# Altium PCB 脑电采集板V3.0.PcbDoc (part 1 of 2) (continued)
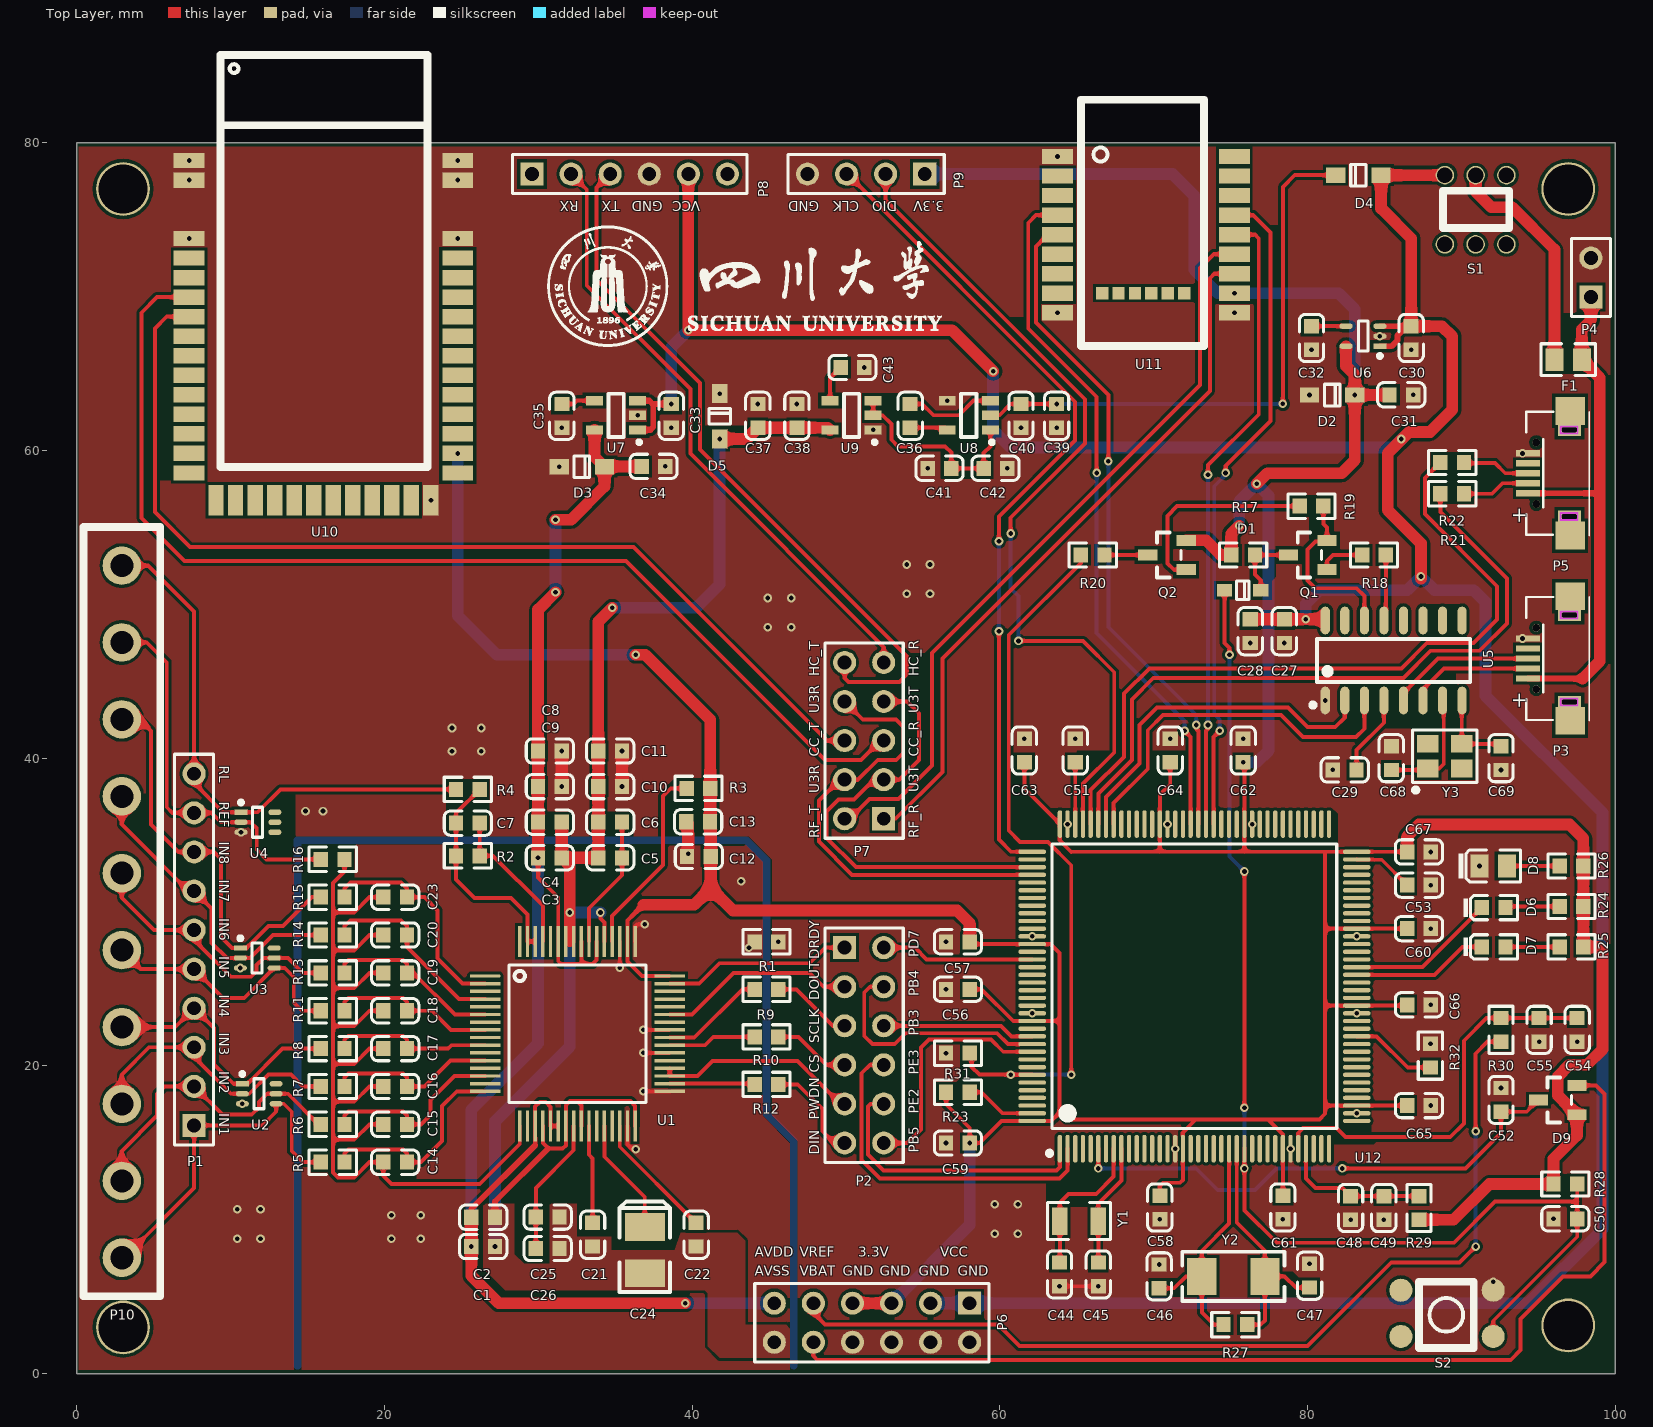
[diagram p0: Top Layer view]
## Footprints (in the part's own frame and the unit in brackets; to place one, negate y for a bottom-side part, rotate by r counter-clockwise, add the part's x,y. Pads: shape width x height; smd on the part's side, far side on the other; paste and mask are expansions set on the pad) (continued)
HDR2X6 [mm] "Connector; Header; 6x2 Position"
  rect 1.5x1.5 hole 0.9: 1(0,0)
  round 1.5 hole 0.9: 2(0,2.54) 3(2.54,0) 4(2.54,2.54) 5(5.08,0) 6(5.08,2.54) 7(7.62,0) 8(7.62,2.54) 9(10.16,0) 10(10.16,2.54) 11(12.7,0) 12(12.7,2.54)
  silkscreen extent -1.27,-1.27 13.97,3.81
key_4.5*4.5*3.8 [mm]
  round 1.5 smd: 1(0,0) 2(0,-3) ""(6,0) ""(6,-3)
  silkscreen extent 1.27,-3.56 4.83,0.76
KEY_5.8*5.8 [mm] "KEY_5.8*5.8"
  round 1.2 hole 1: 1(0,0) 2(0,2) 3(0,4) 4(4.5,4) 5(4.5,2) 6(4.5,0)
  silkscreen extent 1.02,-0.13 3.43,4.19
LQFP-144_20x20x05P [mm]
  oval 0.28x1.8 smd mask+0.051: 1(-8.75,-10.55) 2(-8.25,-10.55) 3(-7.75,-10.55) 4(-7.25,-10.55) 5(-6.75,-10.55) 6(-6.25,-10.55) 7(-5.75,-10.55) 8(-5.25,-10.55) 9(-4.75,-10.55) 10(-4.25,-10.55) 11(-3.75,-10.55) 12(-3.25,-10.55) 13(-2.75,-10.55) 14(-2.25,-10.55) 15(-1.75,-10.55) 16(-1.25,-10.55) 17(-0.75,-10.55) 18(-0.25,-10.55) 19(0.25,-10.55) 20(0.75,-10.55) 21(1.25,-10.55) 22(1.75,-10.55) 23(2.25,-10.55) 24(2.75,-10.55) 25(3.25,-10.55) 26(3.75,-10.55) 27(4.25,-10.55) 28(4.75,-10.55) 29(5.25,-10.55) 30(5.75,-10.55) 31(6.25,-10.55) 32(6.75,-10.55) 33(7.25,-10.55) 34(7.75,-10.55) 35(8.25,-10.55) 36(8.75,-10.55) 73(8.75,10.55) 74(8.25,10.55) 75(7.75,10.55) 76(7.25,10.55) 77(6.75,10.55) 78(6.25,10.55) 79(5.75,10.55) 80(5.25,10.55) 81(4.75,10.55) 82(4.25,10.55) 83(3.75,10.55) 84(3.25,10.55) 85(2.75,10.55) 86(2.25,10.55) 87(1.75,10.55) 88(1.25,10.55) 89(0.75,10.55) 90(0.25,10.55) 91(-0.25,10.55) 92(-0.75,10.55) 93(-1.25,10.55) 94(-1.75,10.55) 95(-2.25,10.55) 96(-2.75,10.55) 97(-3.25,10.55) 98(-3.75,10.55) 99(-4.25,10.55) 100(-4.75,10.55) 101(-5.25,10.55) 102(-5.75,10.55) 103(-6.25,10.55) 104(-6.75,10.55) 105(-7.25,10.55) 106(-7.75,10.55) 107(-8.25,10.55) 108(-8.75,10.55)
  oval 1.8x0.28 smd mask+0.051: 37(10.55,-8.75) 38(10.55,-8.25) 39(10.55,-7.75) 40(10.55,-7.25) 41(10.55,-6.75) 42(10.55,-6.25) 43(10.55,-5.75) 44(10.55,-5.25) 45(10.55,-4.75) 46(10.55,-4.25) 47(10.55,-3.75) 48(10.55,-3.25) 49(10.55,-2.75) 50(10.55,-2.25) 51(10.55,-1.75) 52(10.55,-1.25) 53(10.55,-0.75) 54(10.55,-0.25) 55(10.55,0.25) 56(10.55,0.75) 57(10.55,1.25) 58(10.55,1.75) 59(10.55,2.25) 60(10.55,2.75) 61(10.55,3.25) 62(10.55,3.75) 63(10.55,4.25) 64(10.55,4.75) 65(10.55,5.25) 66(10.55,5.75) 67(10.55,6.25) 68(10.55,6.75) 69(10.55,7.25) 70(10.55,7.75) 71(10.55,8.25) 72(10.55,8.75) 109(-10.55,8.75) 110(-10.55,8.25) 111(-10.55,7.75) 112(-10.55,7.25) 113(-10.55,6.75) 114(-10.55,6.25) 115(-10.55,5.75) 116(-10.55,5.25) 117(-10.55,4.75) 118(-10.55,4.25) 119(-10.55,3.75) 120(-10.55,3.25) 121(-10.55,2.75) 122(-10.55,2.25) 123(-10.55,1.75) 124(-10.55,1.25) 125(-10.55,0.75) 126(-10.55,0.25) 127(-10.55,-0.25) 128(-10.55,-0.75) 129(-10.55,-1.25) 130(-10.55,-1.75) 131(-10.55,-2.25) 132(-10.55,-2.75) 133(-10.55,-3.25) 134(-10.55,-3.75) 135(-10.55,-4.25) 136(-10.55,-4.75) 137(-10.55,-5.25) 138(-10.55,-5.75) 139(-10.55,-6.25) 140(-10.55,-6.75) 141(-10.55,-7.25) 142(-10.55,-7.75) 143(-10.55,-8.25) 144(-10.55,-8.75)
  silkscreen extent -9.57,-11 9.25,9.25
MICRO-USB [mm]
  rect 0.4x1.55 smd: 1(-1.3,2.2) 2(-0.65,2.2) 3(0,2.2) 4(0.65,2.2) 5(1.3,2.2)
  rect 1.8x1.9 smd: 6(-4.05,-0.55) 6(4.05,-0.55)
  rect 0.8x1.5 hole 0.4 slot 1 at 90 deg: 6(-2.825,-0.5) 6(2.825,-0.5)
  round 0.5 hole 0.5 unplated: ""(-2,1.65) ""(2,1.65)
  Keep-Out Layer lines w0.127: -3.054,0.075 -3.054,-1.043 -2.596,-1.043 -2.596,0.075 -3.054,0.075 ; 2.596,0.075 2.596,-1.043 3.054,-1.043 3.054,0.075 2.596,0.075
  silkscreen extent -4.05,-1.8 4,2.3, body extent -4.03,-3.3 4.03,2.28, height 3.13
nRF52832 [mm]
  rect 2x1 smd: 1(4.826,-4.699) 2(4.826,-3.429) 3(4.826,-2.159) 4(4.826,-0.889) 5(4.826,0.381) 6(4.826,1.651) 7(4.826,2.921) 8(4.826,4.191) 9(4.826,5.461) 16(-6.674,5.461) 17(-6.674,4.191) 18(-6.674,2.921) 19(-6.674,1.651) 20(-6.674,0.381) 21(-6.674,-0.889) 22(-6.674,-2.159) 23(-6.674,-3.429) 24(-6.674,-4.699)
  rect 0.8x0.8 smd: 10(1.93,4.191) 11(0.864,4.191) 12(-0.203,4.191) 13(-1.27,4.191) 14(-2.337,4.191) 15(-3.404,4.191)
  silkscreen extent -4.7,-8.38 3.3,7.62
pin1.5mm [mm]
  round 2.5 hole 1.5: 1(0,0) 2(0,5) 3(0,10) 4(0,15) 5(0,20) 6(0,25) 7(0,30) 8(0,35) 9(0,40) 10(0,45)
  silkscreen extent -2.5,-2.5 2.5,47.5
SC-70-5 [mm]
  rect 0.85x0.35 smd: 1(0,0)
  oval 0.85x0.35 smd: 2(0,-0.65) 3(0,-1.3) 4(2.2,-1.3) 5(2.2,0)
  silkscreen extent -0.13,-1.63 1.4,0.76
"SMD-3215_2P FC - 135" [mm]
  rect 1x1.8 smd: 1(-1.25,0) 2(1.25,0)
  silkscreen extent -2.05,-1.2 2.05,1.2
SMD-3225_4P [mm]
  rect 1.4x1.15 smd: 1(-1.1,-0.8) 2(1.1,-0.8) 3(1.1,0.8) 4(-1.1,0.8)
  silkscreen extent -2.1,-2.35 2.1,1.7, body extent -1.6,-1.25 1.6,1.25, height 0.61
SMD-5032_2P [mm]
  rect 1.9x2.4 smd: 1(-2.05,0) 2(2.05,0)
  silkscreen extent -3.32,-1.6 3.32,1.6
SOD-123 [mm]
  rect 1.25x1 smd: 1(1.475,0) 2(-1.475,0)
  silkscreen extent -0.5,-0.7 0.5,0.7, body extent -1.85,-0.77 1.85,0.78, height 1.35
SOD-323 [mm]
  rect 1x0.83 smd: 1(1.18,0) 2(-1.18,0)
  silkscreen extent -0.4,-0.6 0.4,0.6, body extent -1.35,-0.62 1.35,0.63, height 1.1
SOIC-16_150mil [mm]
  oval 0.6x1.8 smd: 1(-4.445,-2.6) 2(-3.175,-2.6) 3(-1.905,-2.6) 4(-0.635,-2.6) 5(0.635,-2.6) 6(1.905,-2.6) 7(3.175,-2.6) 8(4.445,-2.6) 9(4.445,2.6) 10(3.175,2.6) 11(1.905,2.6) 12(0.635,2.6) 13(-0.635,2.6) 14(-1.905,2.6) 15(-3.175,2.6) 16(-4.445,2.6)
  silkscreen extent -5.4,-3.05 4.97,1.4
SOT-23(SOT-23-3) [mm]
  rect 1.25x0.7 smd: 1(1.25,-0.95) 2(1.25,0.95) 3(-1.25,0)
  silkscreen extent -0.65,-1.46 0.9,1.46, body extent -1.5,-1.5 1.5,1.5, height 1.3
SOT-23-5 [mm]
  rect 1.1x0.6 smd: 1(1.4,-0.95) 2(1.4,0) 3(1.4,0.95) 4(-1.4,0.95) 5(-1.4,-0.95)
  silkscreen extent -0.5,-1.87 1.63,1.4
TPD4 [mm]
  rect 0.85x0.35 smd: 1(0,0)
  oval 0.85x0.35 smd: 2(0,-0.65) 3(0,-1.3) 4(2.2,-1.3) 5(2.2,-0.65) 6(2.2,0)
  silkscreen extent -0.13,-1.63 1.4,0.76

## Part data
C1 C2 C3 C4 C5 C6 C7 C8 C9 C10 C11 C12 C13 C21 C22 C26 C38 C40 C42: library part "0603 10nF (103) 10% 50V", "贴片电容", Package=0603, SuppliersPartNumber=C57112, ComponentLink1Description=供应商链接, ComponentLink1URL=http://www.szlcsc.com/product/details_58143.html, Supplier=LC
C14 C15 C16 C17 C18 C19 C20 C23: library part "0603 4.7nF (472) 10% 50V", "贴片电容", Package=0603, SuppliersPartNumber=C53987, ComponentLink1Description=供应商链接, ComponentLink1URL=http://www.szlcsc.com/product/details_55004.html, Supplier=LC
C24: library part "3528 100uF (107) 10% 6.3V", "钽电容", Package=3528, SuppliersPartNumber=C16133, ComponentLink1Description=供应商链接, ComponentLink1URL=http://www.szlcsc.com/product/details_16815.html, Supplier=LC
C25 C27 C48 C54: library part "0603 10uF (106) 10% 10V", "贴片电容", Package=0603, SuppliersPartNumber=C19702, ComponentLink1Description=供应商链接, ComponentLink1URL=http://www.szlcsc.com/product/details_20411.html, Supplier=LC
C28 C29 C49 C50 C52 C55 C56 C57 C58 C59 C60 C61 C62 C63 C64 C65 C66 C67: library part "0603 100nF (104) 10% 50V", "贴片电容", Package=0603, SuppliersPartNumber=C14663, ComponentLink1Description=供应商链接, ComponentLink1URL=http://www.szlcsc.com/product/details_15331.html, Supplier=LC
C30 C31 C33 C34 C36 C37 C39 C41: library part "0603 1uF (105) 10% 50V", "贴片电容", Package=0603, SuppliersPartNumber=C15849, ComponentLink1Description=供应商链接, ComponentLink1URL=http://www.szlcsc.com/product/details_16531.html, Supplier=LC
C32 C35 C43: library part "0603 1nF (102) 10% 50V", "贴片电容", Package=0603, SuppliersPartNumber=C1588, ComponentLink1Description=供应商链接, ComponentLink1URL=http://www.szlcsc.com/product/details_1940.html, Supplier=LC
C44 C45: library part "0603 10pF (100) 5% 50V", "贴片电容", Package=0603, SuppliersPartNumber=C1634, ComponentLink1Description=供应商链接, ComponentLink1URL=http://www.szlcsc.com/product/details_1986.html, Supplier=LC
C46 C47 C68 C69: library part "0603 22pF (220) 5% 50V", "贴片电容", Package=0603, SuppliersPartNumber=C1653, ComponentLink1Description=供应商链接, ComponentLink1URL=http://www.szlcsc.com/product/details_2005.html, Supplier=LC
C51 C53: library part "0603 2.2uF (225) 10% 16V", "贴片电容", Package=0603, SuppliersPartNumber=C23630, ComponentLink1Description=供应商链接, ComponentLink1URL=http://www.szlcsc.com/product/details_24366.html, Supplier=LC
D1: library part "SOD-323 1N4148WS T4", "二极管", Package=SOD-323, SuppliersPartNumber=C2128, ComponentLink1Description=供应商链接, ComponentLink1URL=http://www.szlcsc.com/product/details_2485.html, Supplier=LC
D2 D3 D4 D5: library part "SOD-123 B5819W  SL", "肖特基二极管", Package=SOD-123, SuppliersPartNumber=C8598, ComponentLink1Description=供应商链接, ComponentLink1URL=http://www.szlcsc.com/product/details_9093.html, Supplier=LC
D6 D7: library part "0603 绿灯", "发光二极管", Package=0603, SuppliersPartNumber=C72043, ComponentLink1Description=供应商链接, ComponentLink1URL=http://www.szlcsc.com/product/details_73152.html, Supplier=LC
D8: library part "0805 红灯", "发光二极管", Package=0805, SuppliersPartNumber=C2295, ComponentLink1Description=供应商链接, ComponentLink1URL=http://www.szlcsc.com/product/details_2668.html, Supplier=LC
D9: library part "SOT-23 BAV70 A4", "开关二极管", Package=SOT-23, SuppliersPartNumber=C68978, ComponentLink1Description=供应商链接, ComponentLink1URL=http://www.szlcsc.com/product/details_70091.html, Supplier=LC
F1: library part "Fuse 2", "Fuse", LatestRevisionDate=17-Jul-2002, LatestRevisionNote="Re-released for DXP Platform.", PackageDescription="Thru-Hole; 2 Leads", PackageReference=PIN-W2/E2.8, Published=8-Jun-2000, Publisher="Altium Limited"
P1: "Header, 10-Pin", LatestRevisionDate=17-Jul-2002, LatestRevisionNote="Re-released for DXP Platform.", Publisher="Altium Limited"
P2 P6: "Header, 6-Pin, Dual row", LatestRevisionDate=17-Jul-2002, LatestRevisionNote="Re-released for DXP Platform.", Publisher="Altium Limited"
P3 P5: library part "Header 5", "Header, 5-Pin", LatestRevisionDate=17-Jul-2002, LatestRevisionNote="Re-released for DXP Platform.", Publisher="Altium Limited"
P4: "Header, 2-Pin", LatestRevisionDate=17-Jul-2002, LatestRevisionNote="Re-released for DXP Platform.", Publisher="Altium Limited"
P7: "Header, 5-Pin, Dual row", LatestRevisionDate=17-Jul-2002, LatestRevisionNote="Re-released for DXP Platform.", Publisher="Altium Limited"
P8: library part "Header 6", "Header, 6-Pin", LatestRevisionDate=17-Jul-2002, LatestRevisionNote="Re-released for DXP Platform.", Publisher="Altium Limited"
P9: library part "Header 4", "Header, 4-Pin", LatestRevisionDate=17-Jul-2002, LatestRevisionNote="Re-released for DXP Platform.", Publisher="Altium Limited"
P10: library part "Header 10", "Header, 10-Pin", LatestRevisionDate=17-Jul-2002, LatestRevisionNote="Re-released for DXP Platform.", Publisher="Altium Limited"
Q1: library part "SOT-23 SS8050 Y1", "三极管", Package=SOT-23, SuppliersPartNumber=C2150, ComponentLink1Description=供应商链接, ComponentLink1URL=http://www.szlcsc.com/product/details_2507.html, Supplier=LC
Q2: library part "SOT-23 SS8550 Y2", "三极管", Package=SOT-23, SuppliersPartNumber=C8542, ComponentLink1Description=供应商链接, ComponentLink1URL=http://www.szlcsc.com/product/details_9037.html, Supplier=LC
R1 R2 R4: library part "0603 100KΩ (1003) 1%", "贴片电阻", Package=0603, SuppliersPartNumber=C25803, ComponentLink1Description=供应商链接, ComponentLink1URL=http://www.szlcsc.com/product/details_26546.html, Supplier=LC
R3: library part "0603 10KΩ (1002) 1%", "贴片电阻", Package=0603, SuppliersPartNumber=C25804, ComponentLink1Description=供应商链接, ComponentLink1URL=http://www.szlcsc.com/product/details_26547.html, Supplier=LC
R5 R6 R7 R8 R11 R13 R14 R15 R16: library part "0603 4.99KΩ (4991) 1%", "贴片电阻", Package=0603, SuppliersPartNumber=C23046, ComponentLink1Description=供应商链接, ComponentLink1URL=http://www.szlcsc.com/product/details_23773.html, Supplier=LC
R9 R10 R12 R23: library part "0603 0Ω (0R0) 1%", "贴片电阻", Package=0603, SuppliersPartNumber=C21189, ComponentLink1Description=供应商链接, ComponentLink1URL=http://www.szlcsc.com/product/details_21903.html, Supplier=LC
R17 R18 R19 R20 R26: library part "0603 1KΩ (1001) 1%", "贴片电阻", Package=0603, SuppliersPartNumber=C21190, ComponentLink1Description=供应商链接, ComponentLink1URL=http://www.szlcsc.com/product/details_21904.html, Supplier=LC
R21 R22 R28 R29 R30 R31 R32: library part "0603 10Ω (10R0) 1%", "贴片电阻", Package=0603, SuppliersPartNumber=C22859, ComponentLink1Description=供应商链接, ComponentLink1URL=http://www.szlcsc.com/product/details_23586.html, Supplier=LC
R24 R25: library part "0603 510Ω (5100) 1%", "贴片电阻", Package=0603, SuppliersPartNumber=C23193, ComponentLink1Description=供应商链接, ComponentLink1URL=http://www.szlcsc.com/product/details_23920.html, Supplier=LC
R27: library part "0603 1.2MΩ (1204) 1%", "贴片电阻", Package=0603, SuppliersPartNumber=C22766, ComponentLink1Description=供应商链接, ComponentLink1URL=http://www.szlcsc.com/product/details_23493.html, Supplier=LC
S1 S2: "Switch", LatestRevisionDate=17-Jul-2002, LatestRevisionNote="Re-released for DXP Platform.", PackageDescription="Switch; 2 Leads", PackageReference=SPST-2, Published=24-Mar-1999, Publisher="Altium Limited"
U5: library part CH340G_[C14267], "USB", Package=SOIC-16_150mil, SuppliersPartNumber=C14267, ComponentLink1Description=供应商链接, ComponentLink1URL=http://www.szlcsc.com/product/details_14927.html, Supplier=LC
U12: "ARM", Package=LQFP-144_20x20x05P, SuppliersPartNumber=C46525, ComponentLink1Description=供应商链接, ComponentLink1URL=http://www.szlcsc.com/product/details_47529.html, Supplier=LC
Y1: library part "SMD-3215_2P 32.768KHz 20ppm 12.5pF", "贴片晶振", Package=SMD-3215_2P, SuppliersPartNumber=C32346, ComponentLink1Description=供应商链接, ComponentLink1URL=http://www.szlcsc.com/product/details_33310.html, Supplier=LC
Y2: library part "SMD-5032_2P 8MHz 20ppm 20pF", "贴片晶振", Package=SMD-5032_2P, SuppliersPartNumber=C115962, ComponentLink1Description=供应商链接, ComponentLink1URL=http://www.szlcsc.com/product/details_117214.html, Supplier=LC
Y3: library part "SMD-3225_4P  12MHZ 20PF 10PPM", "贴片晶振", Package=SMD-3225_4P, SuppliersPartNumber=C9002, ComponentLink1Description=供应商链接, ComponentLink1URL=http://www.szlcsc.com/product/details_9522.html, Supplier=LC

## Free pads (board coordinates)
  round 3.5 hole 3.2: 1(3,3) 1(3,77.01) 1(96.949,3.127) 1(96.949,77.01)

## Via types
v1: diameter 0.559, hole 0.305, Top Layer to Bottom Layer, tented both sides, 166 vias

## Nets (pads, with @x,y where several pads share a name; then routed paths per layer and width w, separated by ;. In a path a pad name is that pad's centre, name@x,y a point inside that pad or via, vN(x,y) a via of type N, cw(c..) or ccw(c..) an arc to the next point about the centre after c; other vN are vias at no path point)
AGND: C8.2 C9.2 C10.2 C11.2 C27.2 C28.2 C29.2 C30.1 C31.1 C32.1 C33.1 C34.1 C35.1 C37.2 C38.1 C39.2 C40.1 C41.2 C42.1 C43.1 C44.1 C45.1 C46.1 C47.1 C48.2 C49.2 C50.1 C51.1 C52.2 C53.1 C54.1 C55.1 C56.1 C57.1 C58.1 C59.1 C60.1 C61.1 C62.1 C63.1 C64.1 C65.1 C66.1 C67.1 C68.1 C69.1 D2.1 D3.1 D5.2 D8.K P3.5 P4.2 P5.5 P6.2 P6.4 P6.6 P6.8 P8.4 P9.4 R1.2 R31.1 R32.1 S2.2 U2.3 U3.3 U4.3 U5.1 U6.2 U7.2 U8.4 U9.1 U10.1 U10.2 U10.3 U10.27 U10.40 U10.41 U10.42 U11.1 U11.9 U11.16 U12.16 U12.31 U12.38 U12.51 U12.61 U12.83 U12.94 U12.107 U12.120 U12.130 | length 7.2
  Top Layer w0.254: v1(63.881,5.673) v1(66.403,5.673)
  Top Layer w0.762: v1(31.52,38.157) v1(31.52,40.471) ; v1(35.441,38.157) v1(35.441,40.471)
  other v1: 92.075,5.969 70.358,7.086 80.137,7.128 10.421,8.77 11.938,8.77 59.661,9.093 61.178,9.093 82.804,9.991 84.963,9.991 70.403,10.025 78.403,10.025 95.996,10.057 10.421,10.675 11.938,10.675 59.661,10.998 61.178,10.998 71.403,14.619 78.903,14.619 56.507,14.986 83.203,16.919 88.019,17.419 10.754,17.538 92.583,18.558 56.507,20.828 87.994,21.437 95.059,21.574 97.536,21.574 62.103,23.419 83.203,23.419 88.019,23.969 56.507,24.977 10.627,26.364 45.601,28.067 56.507,28.067 62.103,28.419 83.203,28.419 88.019,28.922 88.019,31.75 91.185,32.997 88.019,33.909 10.668,35.179 64.403,35.719 70.903,35.719 76.403,35.719 14.859,36.564 16.002,36.564 81.653,39.243 92.583,39.235 24.384,40.45 26.289,40.45 61.595,41.275 64.903,41.275 71.078,41.275 75.819,41.275 24.384,41.966 26.289,41.966 81.161,43.755 76.282,47.49 78.494,47.49 93.98,47.783 44.916,48.514 46.433,48.514 44.916,50.419 46.433,50.419 53.944,50.693 55.46,50.693 53.944,52.598 55.46,52.598 23.015,56.777 55.309,58.846 60.488,58.846 31.352,58.958 38.258,58.973 93.98,59.817 51.764,61.346 31.527,61.491 38.639,61.491 61.373,61.491 63.691,61.491 36.452,62.296 44.268,63.031 46.808,63.031 56.584,63.246 80.129,63.612 86.868,63.627 41.783,63.705 51.189,65.405 80.264,66.548 86.741,66.548 84.709,67.437 63.754,68.961 75.254,68.961 7.295,73.787 24.765,73.787 7.295,77.587 24.765,77.587 7.295,78.857 24.765,78.857 63.754,79.121
AIN1P: C14.2 R5.2 U1.16 | length 13.8
  Top Layer w0.254: R5.2@17.399,13.74 17.399,14.317 17.653,14.571 21.209,14.571 21.463,14.317 C14.2@21.463,13.74 22.376,13.74 23.749,15.113 23.749,17.399 24.694,18.344 U1.16@26.543,18.344
AIN2P: C15.2 R6.2 U1.14 | length 12.4
  Top Layer w0.254: R6.2@17.399,16.201 17.399,16.778 17.653,17.032 21.209,17.032 21.463,16.778 C15.2@21.463,16.201 22.377,16.201 22.987,16.811 22.987,17.78 24.551,19.344 U1.14@26.543,19.344
AIN3P: C16.2 R7.2 U1.12 | length 11.2
  Top Layer w0.254: R7.2@17.399,18.662 17.399,19.239 17.653,19.493 21.209,19.493 21.463,19.239 C16.2@21.463,18.662 22.599,18.662 24.281,20.344 U1.12@26.543,20.344
AIN4P: C17.2 R8.2 U1.10 | length 10.6
  Top Layer w0.254: R8.2@17.399,21.123 17.399,21.7 17.653,21.954 21.209,21.954 21.463,21.7 C17.2@21.463,21.123 24.13,21.123 24.351,21.344 U1.10@26.543,21.344
AIN5P: C18.2 R11.2 U1.8 | length 11
  Top Layer w0.254: R11.2@17.399,23.584 17.399,24.161 17.653,24.415 21.209,24.415 21.463,24.161 C18.2@21.463,23.584 23.084,23.584 24.324,22.344 U1.8@26.543,22.344
AIN6P: C19.2 R13.2 U1.6 | length 11.6
  Top Layer w0.254: R13.2@17.399,26.045 17.399,26.622 17.653,26.876 21.209,26.876 21.463,26.622 C19.2@21.463,26.045 21.869,26.045 24.57,23.344 U1.6@26.543,23.344
AIN7P: C20.2 R14.2 U1.4 | length 12.8
  Top Layer w0.254: R14.2@17.399,28.506 17.399,29.083 17.78,29.464 21.082,29.464 21.463,29.083 C20.2@21.463,28.506 21.463,27.734 24.853,24.344 U1.4@26.543,24.344
AIN8P: C23.2 R15.2 U1.2 | length 14.8
  Top Layer w0.254: R15.2@17.399,30.967 17.399,31.544 17.774,31.919 21.088,31.919 21.463,31.544 C23.2@21.463,30.967 22.595,30.967 23.447,30.115 23.447,26.972 25.075,25.344 U1.2@26.543,25.344
AVDD: C1.1 C2.1 C3.1 C4.1 C8.1 C9.1 C34.2 D3.2 P6.11 U1.19 U1.21 U1.22 U1.54 U1.56 U1.59 U7.5 | length 108.8
  Top Layer w0.254: C2.1@25.646,10.16 25.646,10.695 ; 29.793,14.842 U1.19@29.793,16.094 29.793,17.347 30.099,17.653 30.48,17.653 30.793,17.34 U1.21@30.793,16.094 U1.22@31.293,16.094 ; v1(29.98,33.528) 29.98,32.25 31.293,30.937 U1.59@31.293,28.094 31.293,26.804 31.475,26.622 33.047,26.622 ; U1.56@32.793,28.094 32.793,26.876 33.047,26.622 ; U1.54@33.793,28.094 33.793,26.887 33.528,26.622 33.047,26.622
  Top Layer w0.381: 25.646,10.695 29.793,14.842
  Top Layer w0.762: C2.1@25.646,10.16 v1(25.646,8.255) 25.646,6.358 27.432,4.572 v1(39.545,4.572) ; v1(29.98,33.528) C4.1@29.98,35.842 C9.1@29.98,38.157 C8.1@29.98,40.471 29.98,49.665 v1(31.115,50.8) ; v1(31.115,55.499) 32.131,55.499 34.302,57.67 D3.2@34.302,58.958 ; U7.5@33.652,61.346 33.652,59.608 D3.2@34.302,58.958 ; C34.2@36.718,58.973 34.317,58.973 D3.2@34.302,58.958
  Bottom Layer w0.762: v1(25.646,8.255) 25.646,17.137 29.98,21.471 v1(29.98,33.528) ; v1(31.115,50.8) v1(31.115,55.499) ; v1(39.545,4.572) P6.11@45.339,4.572
AVSS: C1.2 C2.2 C3.2 C4.2 C5.2 C6.2 C10.1 C11.1 C21.2 C22.2 C24.2 C25.1 C26.2 C37.1 C38.2 D5.1 P6.12 U1.20 U1.23 U1.25 U1.32 U1.53 U1.57 U1.58 U9.5 | length 98.4
  Top Layer w0.254: U1.20@30.293,16.094 30.293,14.986 30.646,14.633 ; 30.635,14.633 30.646,14.633 ; 32.556,17.667 32.793,17.43 U1.25@32.793,16.094 ; v1(34.036,29.972) 34.036,29.591 34.293,29.334 U1.53@34.293,28.094 ; U1.32@36.293,16.094 36.293,17.399 35.981,17.711 32.062,17.711 31.793,17.442 U1.23@31.793,16.094 31.793,14.837 31.575,14.619 30.66,14.619 30.646,14.633
  Top Layer w0.381: C2.2@27.186,10.16 27.186,11.184 30.635,14.633
  Top Layer w0.762: C4.2@31.52,35.842 C3.2@31.52,33.528 ; 32.043,28.094 v1(32.043,29.972) 32.043,33.005 C3.2@31.52,33.528 ; v1(34.798,49.784) 33.901,48.887 C11.1@33.901,40.471 C10.1@33.901,38.157 C5.2@33.901,33.528 C3.2@31.52,33.528 ; v1(41.783,60.755) 43.532,60.755 C37.1@44.268,61.491 48.819,61.491 U9.5@48.964,61.346
  Bottom Layer w0.762: v1(27.186,8.255) 27.186,16.391 32.043,21.248 v1(32.043,29.972) v1(34.036,29.972) ; v1(34.798,49.784) 40.259,49.784 41.783,51.308 v1(41.783,60.755)
BOOT0: R20.2 R31.2 U12.138 | length 47.5
  Top Layer w0.254: R31.2@58.047,20.828 58.166,20.709 58.166,19.939 58.674,19.431 v1(60.706,19.431) U12.138@62.091,19.431 ; U12.138@62.103,19.419 U12.138@62.091,19.431 ; U12.138@62.103,19.431 U12.138@62.091,19.431 ; v1(64.643,19.431) 64.643,33.042 63.119,34.566 61.319,34.566 60.579,35.306 60.579,48.006 65.27,52.697 R20.2@65.27,53.213
  Bottom Layer w0.254: v1(60.706,19.431) v1(64.643,19.431)
BOOT1: R32.2 U12.48 | length 5.6
  Top Layer w0.254: U12.48@83.203,21.919 84.499,21.919 86.521,19.897 R32.2@87.994,19.897
C\S\: P2.7 R10.2 | length 5.1
  Top Layer w0.254: R10.2@45.601,21.886 46.919,21.886 48.74,20.066 P2.7@49.911,20.066
CC2640_RX: P7.5 U10.6 | length 72.2
  Top Layer w0.254: U10.6@7.295,69.977 5.207,69.977 4.191,68.961 4.191,55.626 6.985,52.832 35.687,52.832 48.641,39.878 50.966,39.878 52.236,41.148 P7.5@52.451,41.148
CC2640_TX: P7.6 U10.7 | length 65.5
  Top Layer w0.254: U10.7@7.295,68.707 5.842,68.707 5.08,67.945 5.08,56.007 7.366,53.721 36.187,53.721 48.76,41.148 P7.6@49.911,41.148
CH340_D+: P3.3 U5.5 | length 9.5
  Top Layer w0.254: U5.5@86.241,43.755 86.241,44.237 88.486,46.482 P3.3@94.328,46.482
CH340_D-: P3.2 U5.6 | length 8.1
  Top Layer w0.254: U5.6@87.511,43.755 87.511,44.475 88.868,45.832 P3.2@94.328,45.832
D\R\D\Y\: P2.1 U1.47 | length 12.3
  Top Layer w0.254: U1.47@38.543,25.344 40.457,25.344 41.783,26.67 47.638,26.67 48.654,27.686 P2.1@49.911,27.686
DGND: C12.2 C13.2 R1.1 U1.31 U1.33 U1.38 U1.41 U1.49 U1.51 | length 12.5
  Top Layer w0.254: v1(35.293,26.381) U1.51@35.293,28.094 ; U1.31@35.793,16.094 35.793,14.88 36.102,14.571 v1(36.322,14.571) ; U1.49@36.293,28.094 36.293,29.054 36.449,29.21 v1(36.917,29.21) ; v1(36.83,18.344) U1.33@38.543,18.344 ; v1(36.83,20.844) U1.38@38.543,20.844 ; v1(36.83,22.344) U1.41@38.543,22.344
  Top Layer w0.762: C13.2@39.616,35.871 39.751,35.736 v1(39.751,33.782)
  other v1: 20.447,8.77 22.352,8.77 20.447,10.287 22.352,10.287 43.688,27.686 43.18,32.004
DIN: P2.11 R12.2 | length 6.7
  Top Layer w0.254: R12.2@45.601,18.796 46.863,18.796 48.474,17.185 48.474,15.748 49.236,14.986 P2.11@49.911,14.986
DOUT: P2.3 U1.43 | length 12.9
  Top Layer w0.254: U1.43@38.543,23.344 39.981,23.344 42.682,26.045 47.634,26.045 48.533,25.146 P2.3@49.911,25.146
HC05_RX: P7.9 P8.2 | length 40.2
  Top Layer w0.254: P8.2@32.131,77.978 33.147,76.962 33.147,70.739 39.878,64.008 39.878,59.817 52.451,47.244 P7.9@52.451,46.228
HC05_TX: P7.10 P8.3 | length 46.6
  Top Layer w0.254: P8.3@34.671,77.978 33.793,77.1 33.793,71.109 40.513,64.389 40.513,60.071 53.975,46.609 53.975,45.466 53.467,44.958 50.165,44.958 49.911,45.212 P7.10@49.911,46.228
IN1P: P1.1 P10.1 R5.1 U2.4 | length 22.8
  Top Layer w0.254: P10.1@2.921,7.526 3.081,7.526 7.62,12.065 P1.1@7.62,16.129 12.065,16.129 12.954,17.018 U2.4@12.954,17.538 13.45,17.538 13.97,17.018 13.97,14.478 14.708,13.74 R5.1@15.859,13.74
IN2P: P1.2 P10.2 R6.1 U2.5 | length 19.8
  Top Layer w0.254: P10.2@2.921,12.526 2.921,14.478 5.207,16.764 5.207,18.165 5.711,18.669 P1.2@7.62,18.669 9.459,16.83 11.369,16.83 11.84,17.301 11.84,17.657 12.371,18.188 U2.5@12.954,18.188 13.716,18.188 15.703,16.201 R6.1@15.859,16.201
IN3P: P1.3 P10.3 R7.1 U2.2 | length 18
  Top Layer w0.254: P10.3@2.921,17.526 2.921,19.431 4.699,21.209 P1.3@7.62,21.209 7.62,20.574 10.006,18.188 U2.2@10.754,18.188 11.207,18.188 12.45,19.431 13.916,19.431 14.686,18.662 R7.1@15.859,18.662
IN4P: P1.4 P10.4 R8.1 U2.1 | length 17.8
  Top Layer w0.254: P10.4@2.921,22.526 6.397,22.526 P1.4@7.62,23.749 8.917,22.452 8.917,20.101 10.18,18.838 U2.1@10.754,18.838 11.091,18.838 13.376,21.123 R8.1@15.859,21.123
IN5P: P1.5 P10.5 R11.1 U3.4 | length 17.2
  Top Layer w0.254: P10.5@2.921,27.526 4.158,26.289 P1.5@7.62,26.289 9.494,24.415 10.878,24.415 U3.4@12.827,26.364 13.514,26.364 14.097,25.781 14.097,24.13 14.643,23.584 R11.1@15.859,23.584
IN6P: P1.6 P10.6 R13.1 U3.5 | length 18.2
  Top Layer w0.254: P10.6@2.921,32.526 2.921,30.923 5.015,28.829 P1.6@7.62,28.829 7.62,28.194 10.018,25.796 11.308,25.796 11.684,26.172 11.684,26.548 12.15,27.014 U3.5@12.827,27.014 13.716,27.014 14.686,26.045 R13.1@15.859,26.045
IN7P: P1.7 P10.7 R14.1 U3.2 | length 20.3
  Top Layer w0.254: P10.7@2.921,37.526 2.921,35.687 7.239,31.369 P1.7@7.62,31.369 8.763,30.226 8.763,27.998 9.746,27.014 U3.2@10.627,27.014 11.266,27.014 12.758,28.506 R14.1@15.859,28.506
IN8P: P1.8 P10.8 R15.1 U3.1 | length 27
  Top Layer w0.254: P10.8@2.921,42.526 4.083,42.526 4.826,41.783 4.826,35.687 6.604,33.909 P1.8@7.62,33.909 8.917,33.909 9.371,33.454 9.371,28.369 10.076,27.664 U3.1@10.627,27.664 11.027,27.664 12.446,29.083 13.408,29.083 15.292,30.967 R15.1@15.859,30.967
LED0: D6.K U12.57 | length 9.7
  Top Layer w0.254: U12.57@83.203,26.419 87.467,26.419 D6.K@91.336,30.288
LED1: D7.K U12.56 | length 8.9
  Top Layer w0.254: U12.56@83.203,25.919 88.259,25.919 90.074,27.734 D7.K@91.336,27.734
NetC5_1: C5.1 C6.1 U1.55 | length 8.6
  Top Layer w0.254: U1.55@33.293,28.094 33.293,30.245 35.441,32.393 C5.1@35.441,33.528 C6.1@35.441,35.842
NetC7_1: C7.1 R2.1 R4.2 U1.62 U1.63 | length 14.3
  Top Layer w0.254: R4.2@26.188,37.973 24.648,36.433 C7.1@24.648,35.781 R2.1@24.648,33.655 24.648,32.121 25.85,30.919 28.21,30.919 29.293,29.836 U1.63@29.293,28.094 U1.62@29.793,28.094